# Altium PCB 大风车.PcbDoc
Units mil, origin at the board's own origin, x right, y up, seen from the top; angles counter-clockwise.
Board outline 3937.01 x 3937.01 mil, 2 copper layers (Top Layer, Bottom Layer); 135 components, 102 nets, 471 pads, 550 vias.
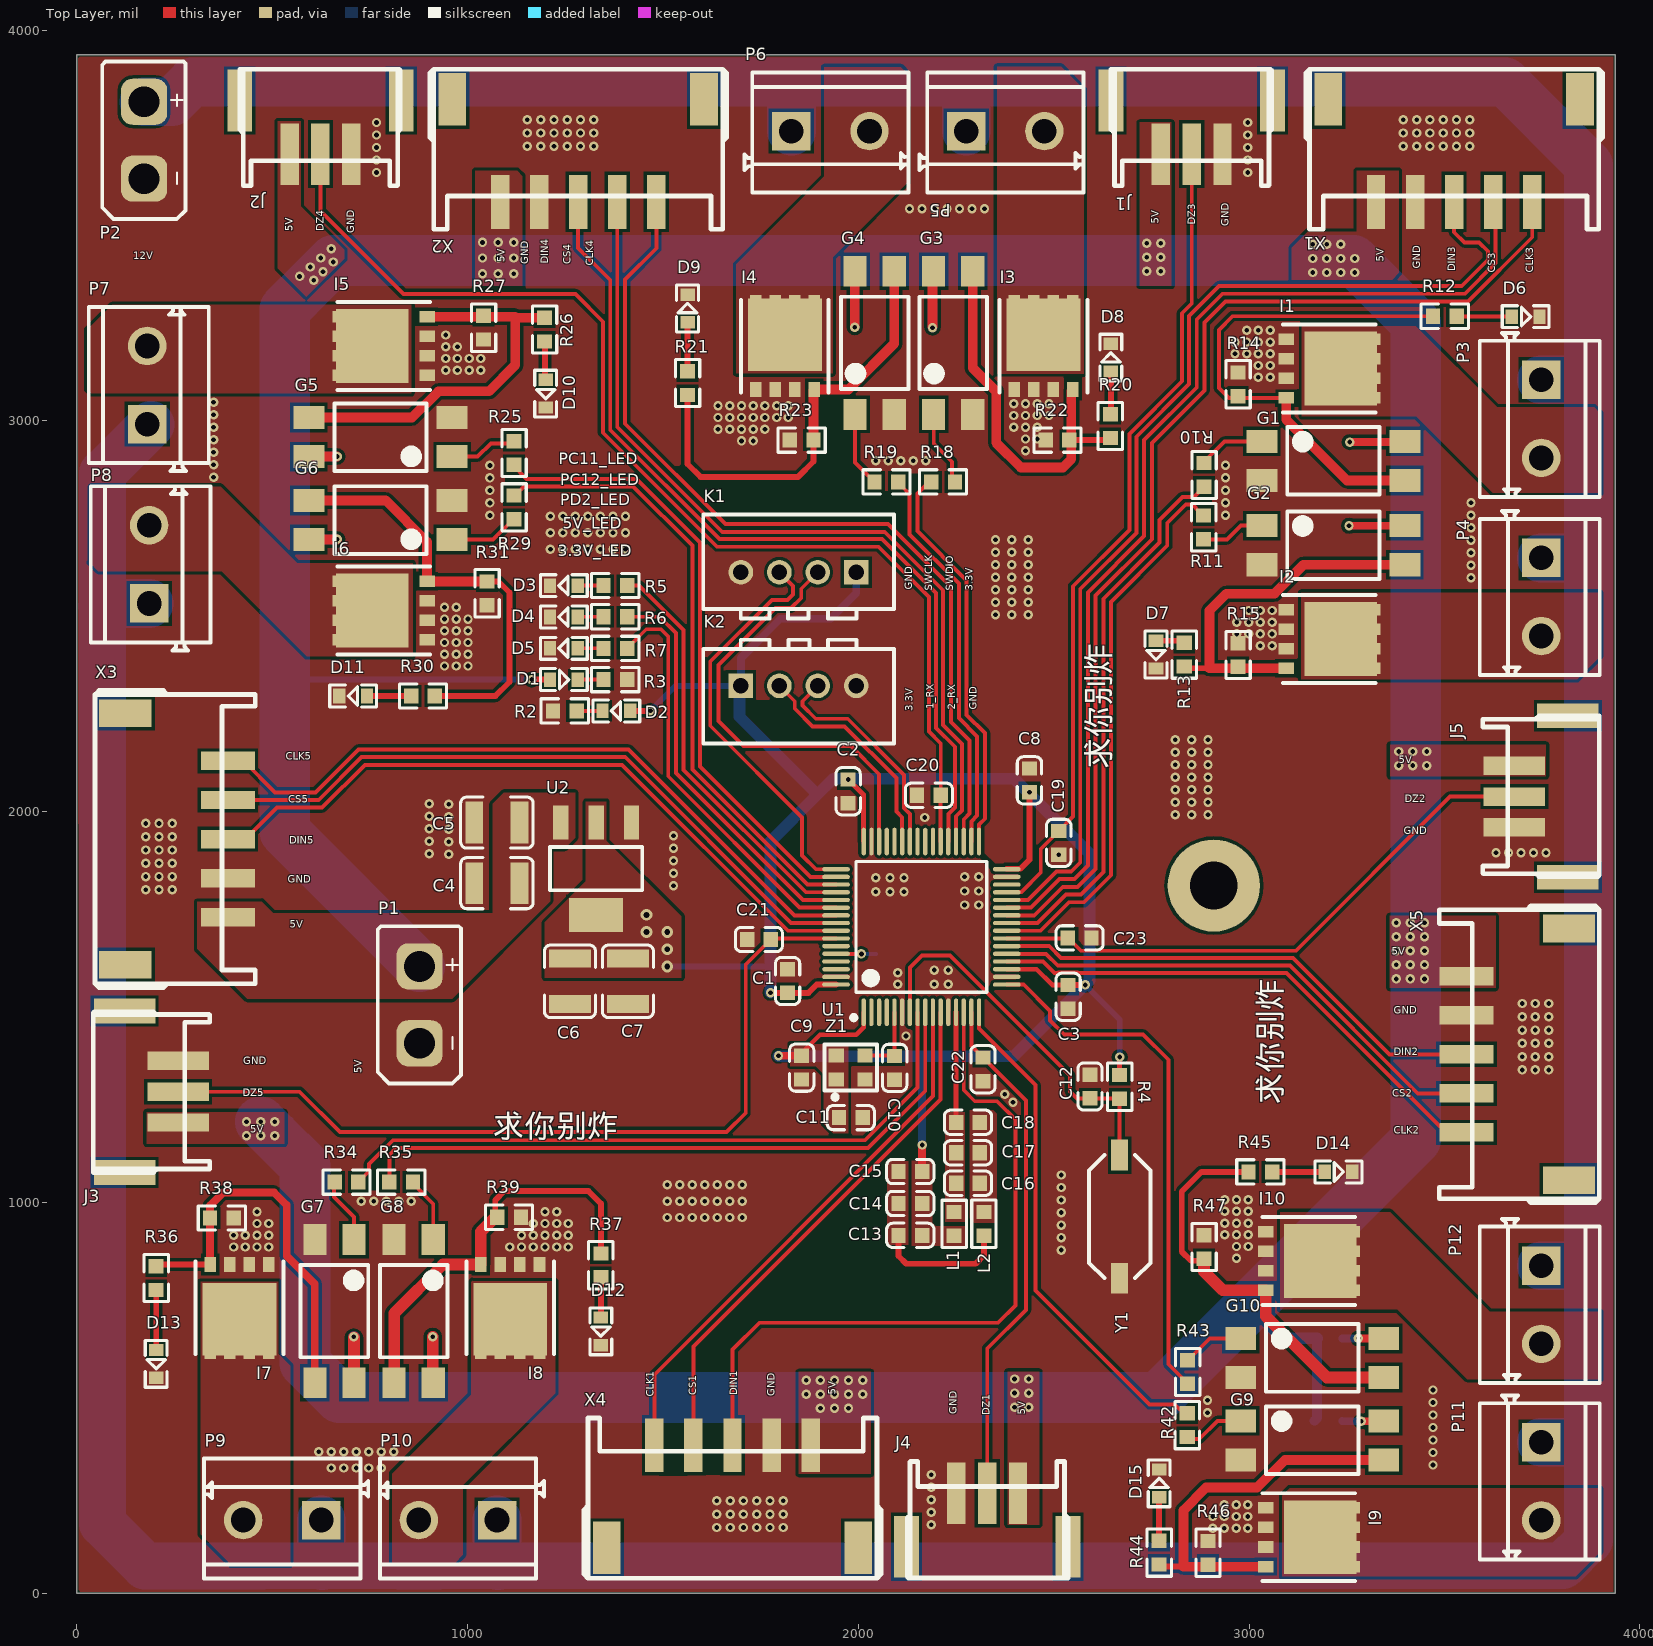
[diagram p0: Top Layer view]
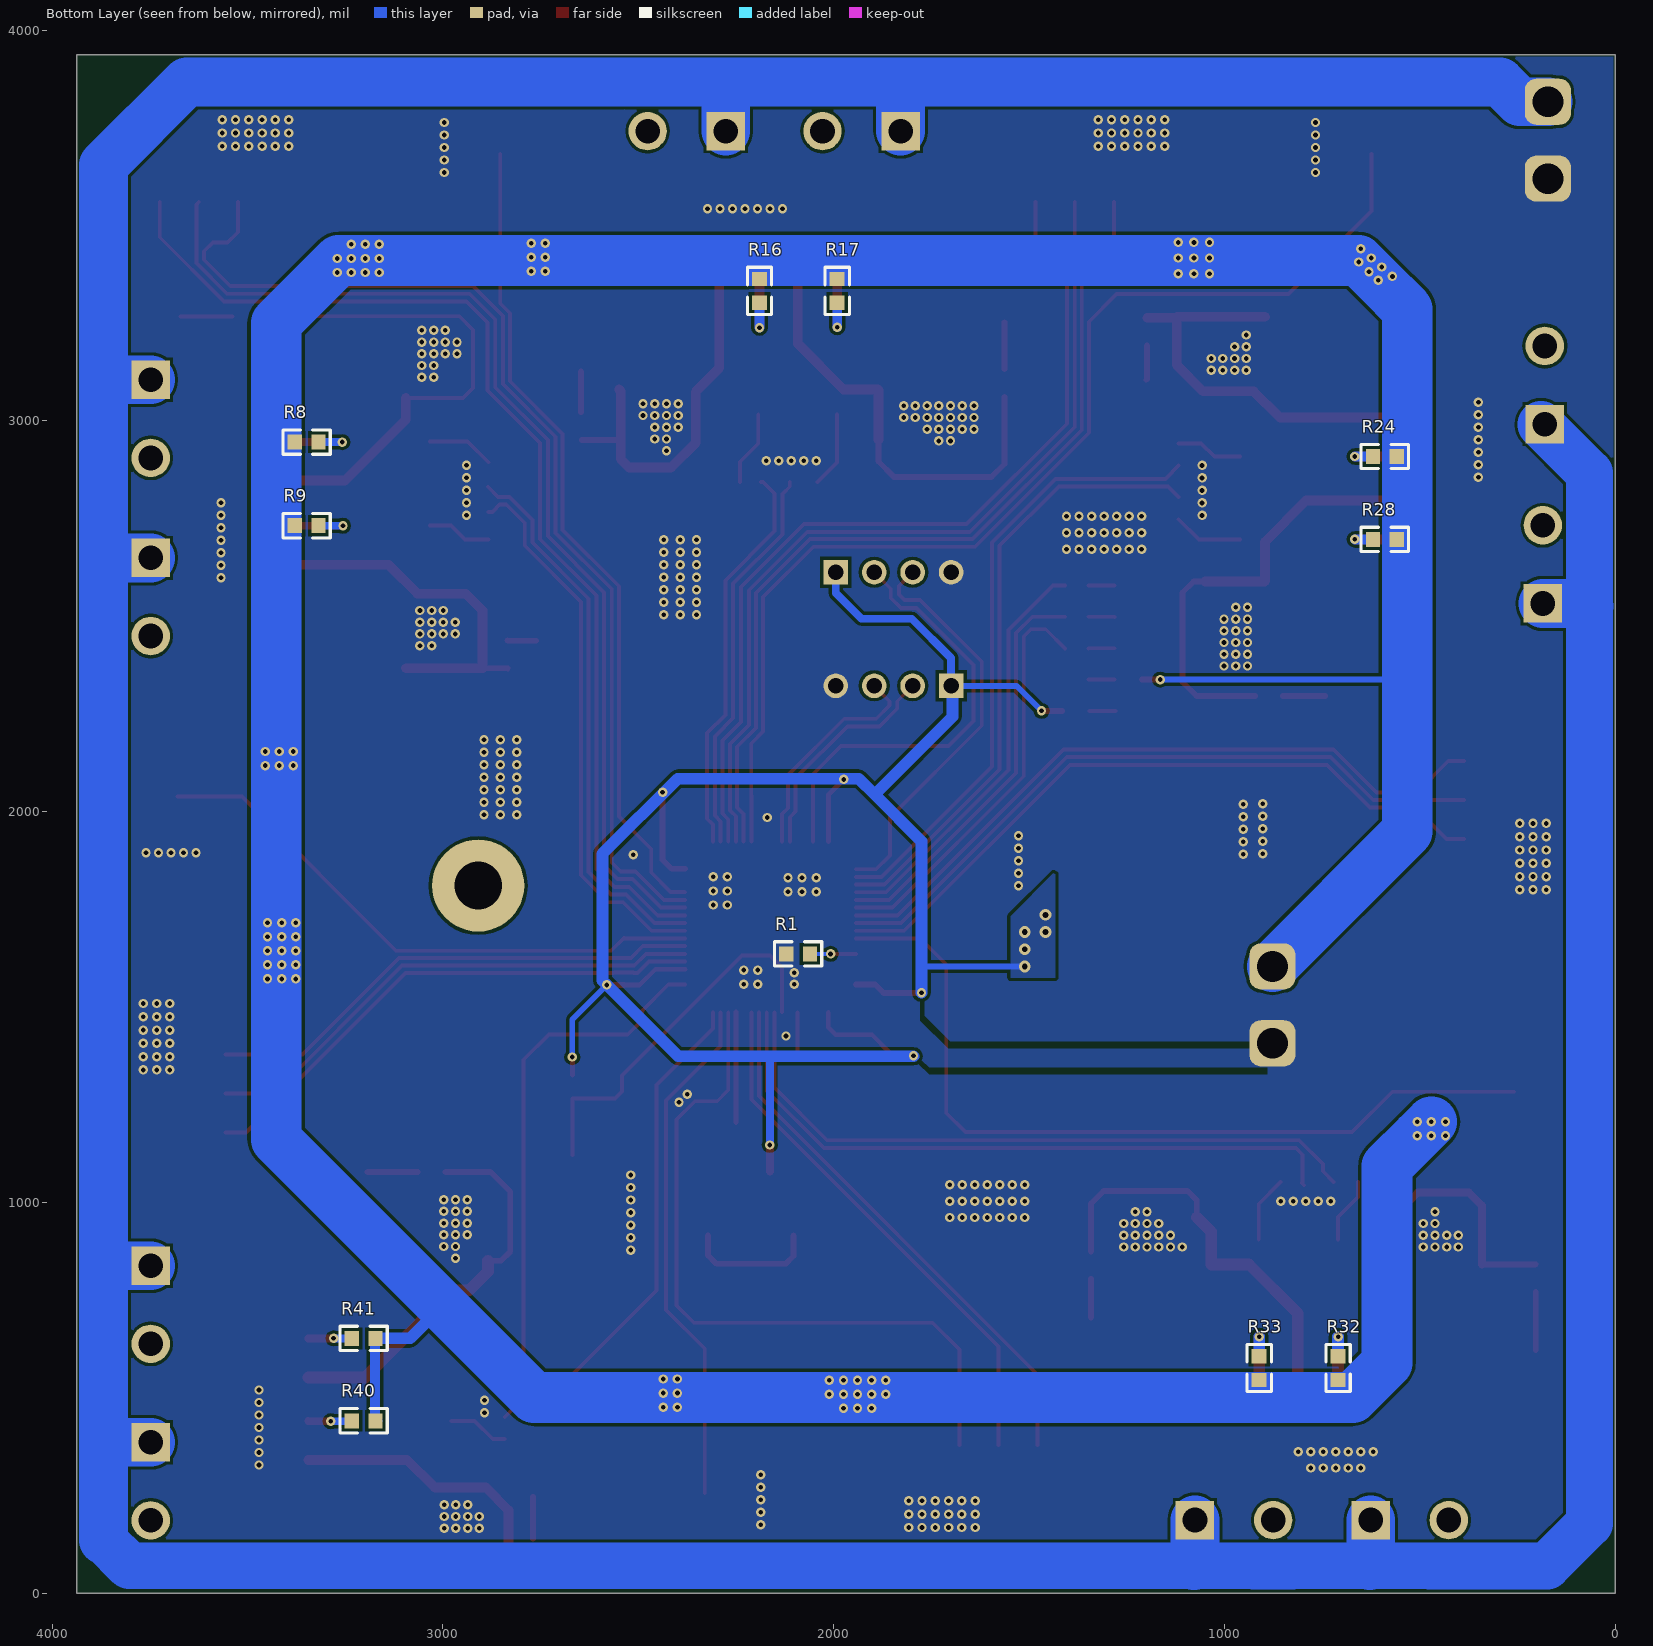
[diagram p1: Bottom Layer view, seen from below]
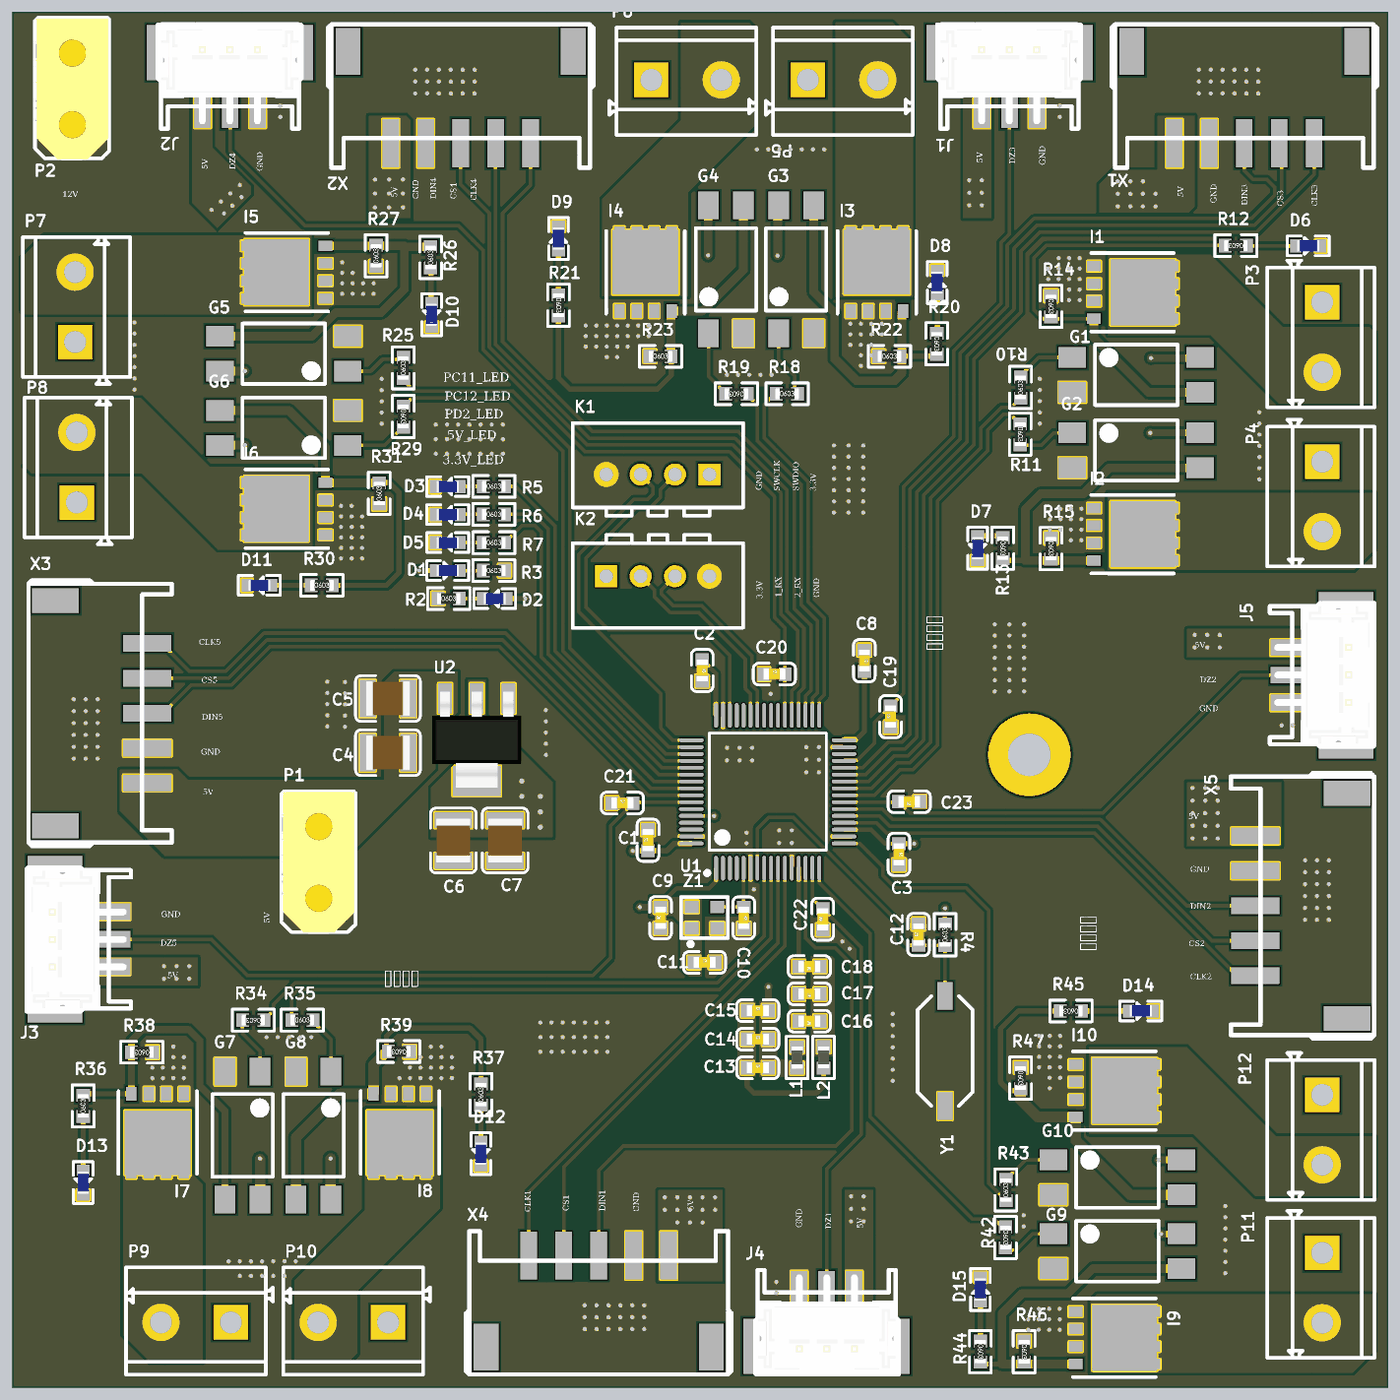
[diagram p2: 3D render of the assembled board from above, using the file's embedded part models]
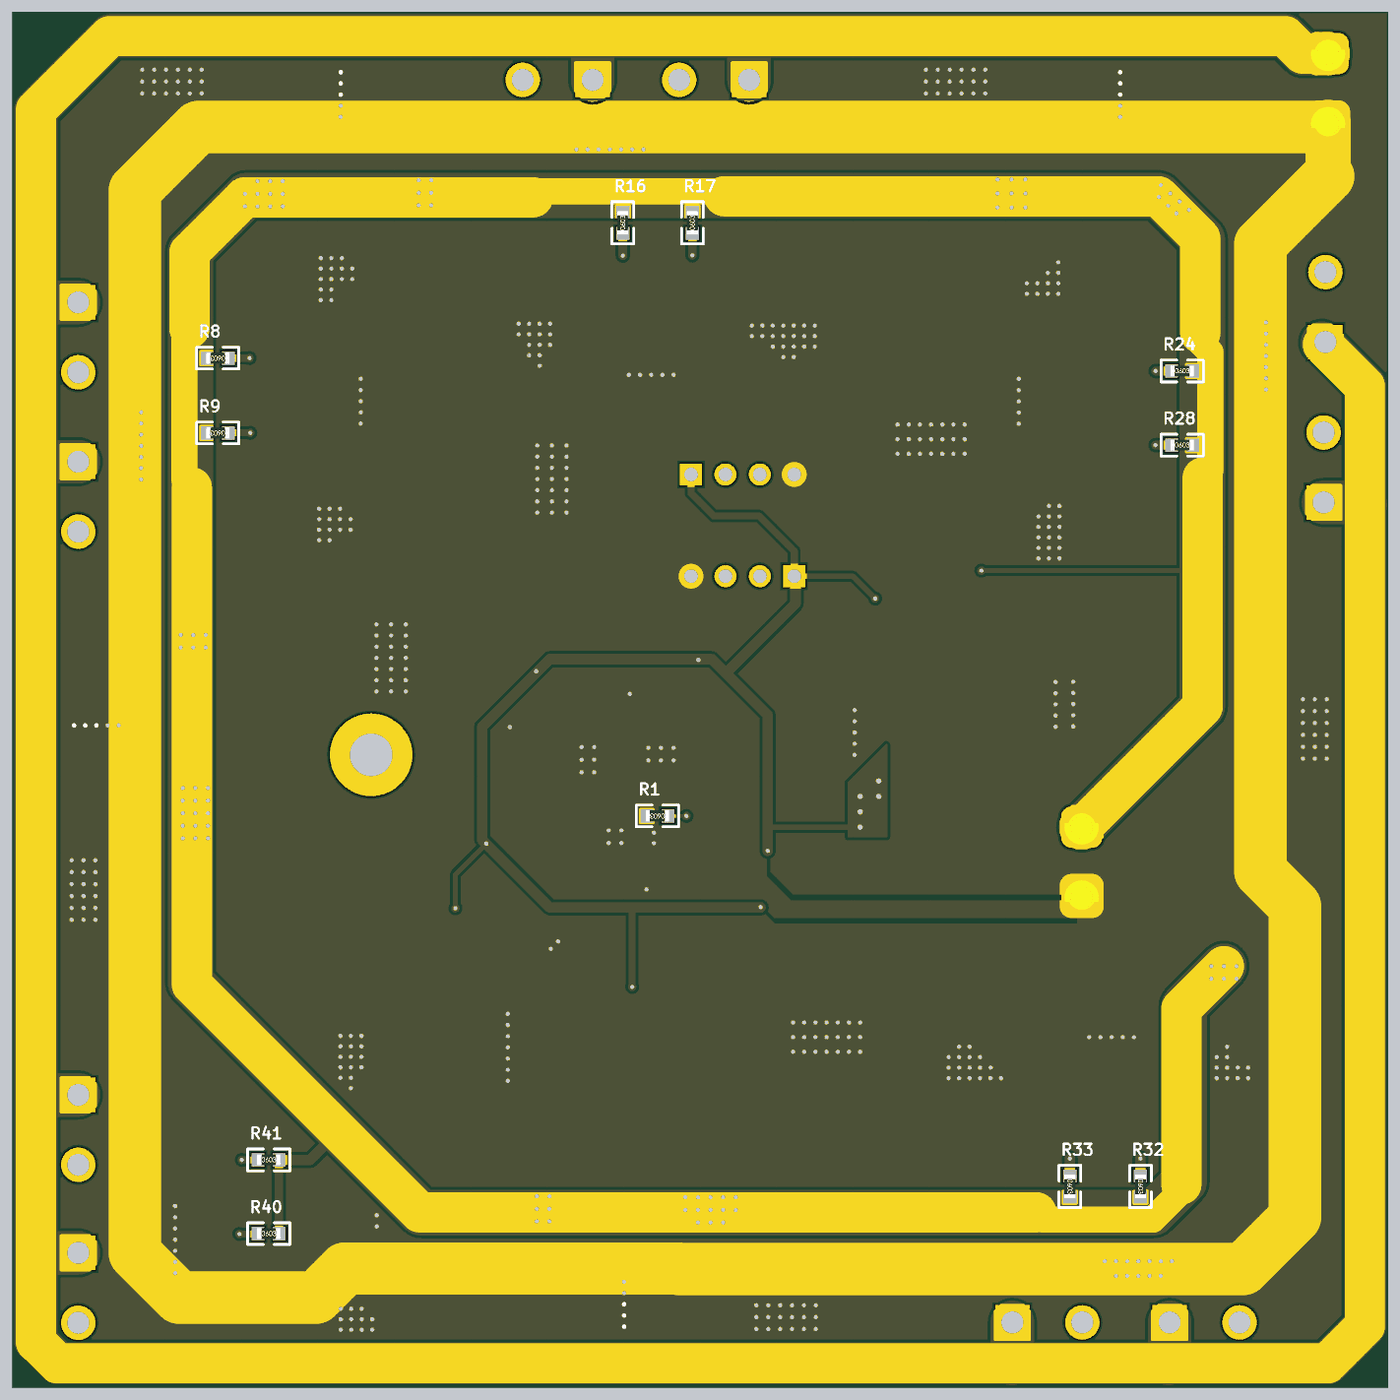
[diagram p3: 3D render of the assembled board from below, using the file's embedded part models]

## Layer stack, top to bottom
Top Solder: solder mask 0.4, Solder Resist, Dk 3.5
Top Layer: signal copper 1.4
Dielectric 1: dielectric 12.6, FR-4, Dk 4.8
Bottom Layer: signal copper 1.4
Bottom Solder: solder mask 0.4, Solder Resist, Dk 3.5

## Board outline
0,0 0,3937.01 3937.01,3937.01 3937.01,0

## Design rules (kind name [scope] priority, off if disabled: settings)
Clearance [All] p1: gap=8 ignorepadtopadclearanceinfootprint=FALSE
PolygonConnect [All] p1: connectstyle=Direct reliefconductorwidth=10 reliefentries=4 polygonreliefangle="90 Angle" airgapwidth=10
RoutingVias [All] p1: holewidth=28 width=50 viastyle="Through Hole" minholewidth=28 minwidth=50 maxholewidth=28 maxwidth=50
SolderMaskExpansion [All] p1: expansion=4
Width Width_2 [InNetClass('SIGHAL')] p1: maxlimit=30 minlimit=10 preferedwidth=10
Width Width_1 [InNetClass('POWER')] p2: maxlimit=200 minlimit=10 preferedwidth=30
Width [All] p3: maxlimit=200 minlimit=10 preferedwidth=30
30 further rules are at their usual default settings.

## Classes and differential pairs
component class 大风车: C1 C2 C3 C4 C5 C6 C7 C8 C9 C10 C11 C12 C13 C14 C15 C16 C17 C18 D1 D2 D3 D4 D5 K1 K2 L1 L2 P1 P2 R1 R2 R3 R4 R5 R6 R7 U1 U2 Y1 Z1
component class 大风车灯条1: C19 C20 D6 D7 D8 D9 G1 G2 G3 G4 I1 I2 I3 I4 J1 J2 P3 P4 P5 P6 R8 R9 R10 R11 R12 R13 R14 R15 R16 R17 R18 R19 R20 R21 R22 R23 X1 X2
component class 大风车灯条2: C21 D10 D11 G5 G6 I5 I6 J3 P7 P8 R24 R25 R26 R27 R28 R29 R30 R31 X3
component class 大风车灯条: C22 C23 D12 D13 D14 D15 G7 G8 G9 G10 I7 I8 I9 I10 J4 J5 P9 P10 P11 P12 R32 R33 R34 R35 R36 R37 R38 R39 R40 R41 R42 R43 R44 R45 R46 R47 X4 X5

## Components (designator, comment, footprint, x,y, rotation, side; value= is the part's Value field where it differs from the comment)
C1 "?uF" 0603_C 1819,1567 r90 top
C2 "?uF" 0603_C 1974,2052 r270 top
C3 "?uF" 0603_C 2537,1526 r270 top
C4 "47uF" 1210_C 1075,1817 r0 top
C5 "10uF" 1210_C 1075,1972 r0 top
C6 "47uF" 1210_C 1262,1565.87 r90 top
C7 "10uF" 1210_C 1410.29,1565.87 r90 top
C8 "?uF" 0603_C 2438,2080 r270 top
C9 "?uF" 0603_C 1855,1345.29 r90 top
C10 "15pF" 0603_C 2093,1344 r270 top
C11 "100nF" 0603_C 1981,1217 r0 top
C12 "100nF" 0603_C 2593,1297 r90 top
C13 "?uF" 0603_C 2133.37,915.67 r0 top
C14 "?uF" 0603_C 2133.37,997.33 r0 top
C15 "?uF" 0603_C 2133.37,1079 r0 top
C16 "?uF" 0603_C 2280.37,1049 r180 top
C17 "?uF" 0603_C 2280.37,1127 r180 top
C18 "?uF" 0603_C 2280.37,1205 r180 top
C19 "?uF" 0603_C 2513,1920.63 r90 top
C20 "?uF" 0603_C 2181,2042 r0 top
C21 "?uF" 0603_C 1746,1673 r0 top
C22 "?uF" 0603_C 2319,1341 r90 top
C23 "?uF" 0603_C 2566.02,1677 r180 top
D1 "LED0" LED-0603 1244.2,2336.12 r0 top
D2 "LED1" LED-0603 1382.56,2260 r180 top
D3 "LED2" LED-0603 1248.2,2580.5 r180 top
D4 "LED3" LED-0603 1248.2,2500.37 r180 top
D5 "LED3" LED-0603 1248.2,2420.25 r180 top
D6 "LED0" LED-0603 3706,3265 r0 top
D7 "LED0" LED-0603 2760,2404 r270 top
D8 "LED0" LED-0603 2648.38,3159.96 r90 top
D9 "LED0" LED-0603 1565,3286 r90 top
D10 "LED0" LED-0603 1198,3072 r270 top
D11 "LED0" LED-0603 709.22,2298 r180 top
D12 "LED0" LED-0603 1339,672 r270 top
D13 "LED0" LED-0603 201,589 r270 top
D14 "LED0" LED-0603 3227,1076 r0 top
D15 "LED0" LED-0603 2772,279 r90 top
G1 "光耦" SMD-4 3011.82,3007.13 r90 top
G2 "光耦" SMD-4 3011.82,2791.13 r90 top
G3 "光耦" SMD-4 2133.87,2995.68 r180 top
G4 "光耦" SMD-4 1932.87,2995.68 r180 top
G5 "光耦" SMD-4 981.32,2849.49 r270 top
G6 "光耦" SMD-4 981.32,2637.26 r270 top
G7 "光耦" SMD-4 768.13,926 r0 top
G8 "光耦" SMD-4 971.13,926 r0 top
G9 "光耦" SMD-4 2957.68,500.13 r90 top
G10 "光耦" SMD-4 2957.68,711.13 r90 top
I1 "MOSFET-N" VSONP-8 3214.68,2998.13 r90 top
I2 "MOSFET-N" VSONP-8 3214.68,2306.13 r90 top
I3 "MOSFET-N" VSONP-8 2609.87,3200.36 r180 top
I4 "MOSFET-N" VSONP-8 1947.87,3200.36 r180 top
I5 "MOSFET-N" VSONP-8 776.64,3327.87 r270 top
I6 "MOSFET-N" VSONP-8 776.64,2650.87 r270 top
I7 "MOSFET-N" VSONP-8 280.13,721.32 r0 top
I8 "MOSFET-N" VSONP-8 973.13,721.32 r0 top
I9 "MOSFET-N" VSONP-8 3162.36,7.13 r90 top
I10 "MOSFET-N" VSONP-8 3162.36,714.13 r90 top
J1 "PH 3P" PH3P 2894,3451.27 r0 top
J2 "PH 3P" PH3P 664,3451.27 r0 top
J3 "PH 3P" PH3P 491,1323.89 r90 top
J4 "PH 3P" PH3P 2289.37,487.73 r180 top
J5 "PH 3P" PH3P 3447.27,1998.11 r270 top
K1 "XH4P" XH4P 1604.58,2518 r180 top
K2 "XH4P" XH4P 2089.85,2417 r0 top
L1 "Inductor" 0603_L 2245.37,945 r90 top value=10uH
L2 "Inductor" 0603_L 2321.37,945.31 r90 top value=10uH
P1 "XT30" XT30-F 876,1408 r90 top
P2 "XT30" XT30-F 171,3621 r90 top
P3 "接线柱" 接线柱 3576.68,3042.51 r90 top
P4 "接线柱" 接线柱 3576.68,2586.74 r90 top
P5 "接线柱" 接线柱 2339.26,3570.68 r180 top
P6 "接线柱" 接线柱 1891.49,3570.68 r180 top
P7 "接线柱" 接线柱 351.32,3054.87 r270 top
P8 "接线柱" 接线柱 356.32,2595.87 r270 top
P9 "接线柱" 接线柱 562.74,358.32 r0 top
P10 "接线柱" 接线柱 1012.51,358.32 r0 top
P11 "接线柱" 接线柱 3576.68,323.13 r90 top
P12 "接线柱" 接线柱 3576.68,775.13 r90 top
R1 "10K" 0603_R 2091,1636 r0 bottom
R2 "50K" 0603_R 1248.76,2258 r0 top
R3 "100K" 0603_R 1378,2338 r0 top
R4 "10K" 0603_R 2669,1296 r90 top
R5 "10K" 0603_R 1378,2579 r0 top
R6 "10K" 0603_R 1378,2499 r0 top
R7 "10K" 0603_R 1378,2418 r0 top
R8 "500R" 0603_R 3349,2946 r0 bottom
R9 "500R" 0603_R 3349,2732 r0 bottom
R10 "10K" 0603_R 2885,2862 r90 top
R11 "10K" 0603_R 2884,2728 r270 top
R12 "50K" 0603_R 3501,3268 r180 top
R13 "50K" 0603_R 2834.2,2402 r270 top
R14 "10K" 0603_R 2972,3094 r270 top
R15 "10K" 0603_R 2972,2401 r270 top
R16 "500R" 0603_R 2190,3333 r90 bottom
R17 "500R" 0603_R 1991,3333 r90 bottom
R18 "10K" 0603_R 2217,2844 r0 top
R19 "10K" 0603_R 2072,2844 r180 top
R20 "50K" 0603_R 2645,2987 r270 top
R21 "50K" 0603_R 1563,3097 r270 top
R22 "10K" 0603_R 2509.8,2951 r0 top
R23 "10K" 0603_R 1855,2951 r0 top
R24 "500R" 0603_R 589.57,2909 r180 bottom
R25 "10K" 0603_R 1119,2918 r90 top
R26 "50K" 0603_R 1197,3234 r90 top
R27 "10K" 0603_R 1041,3238.68 r90 top
R28 "500R" 0603_R 589.57,2697 r180 bottom
R29 "10K" 0603_R 1119,2778.88 r270 top
R30 "50K" 0603_R 886,2296 r0 top
R31 "10K" 0603_R 1050,2558.92 r90 top
R32 "500R" 0603_R 709,576 r270 bottom
R33 "500R" 0603_R 911,576 r270 bottom
R34 "10K" 0603_R 690,1052 r180 top
R35 "10K" 0603_R 830.08,1052 r0 top
R36 "50K" 0603_R 203,806.28 r90 top
R37 "50K" 0603_R 1341,839 r90 top
R38 "10K" 0603_R 371,960 r180 top
R39 "10K" 0603_R 1106.2,962 r180 top
R40 "500R" 0603_R 3203,441 r180 bottom
R41 "500R" 0603_R 3203,652 r180 bottom
R42 "10K" 0603_R 2842,430 r270 top
R43 "10K" 0603_R 2843,566 r90 top
R44 "50K" 0603_R 2770,103.57 r270 top
R45 "50K" 0603_R 3029,1078 r180 top
R46 "10K" 0603_R 2895,103.2 r270 top
R47 "10K" 0603_R 2885,886 r270 top
U1 "STM32F103RGT6" STM32F1 897.65,986.31 r0 top
U2 "AMS1117" AMS1117 1203,1715.11 r0 top
X1 "XH5P" XH5P 3239,3283.61 r0 top
X2 "XH5P" XH5P 997,3283.61 r0 top
X3 "XH5P" XH5P 663.56,1643.95 r90 top
X4 "XH5P" XH5P 1964,655.39 r180 top
X5 "XH5P" XH5P 3279.61,1665.05 r270 top
Y1 "电键" 电键 2669,963.52 r90 top
Z1 "8MHz" OSC-SMD_4P-L2.5-W2.0-BL 1911.23,1284 r0 top

## Footprints (in the part's own frame and the unit in brackets; to place one, negate y for a bottom-side part, rotate by r counter-clockwise, add the part's x,y. Pads: shape width x height; smd on the part's side, far side on the other; paste and mask are expansions set on the pad)
0603_C [mm]
  rect 0.93x0.98 smd: 1(-0.778,0) 2(0.762,0)
  silkscreen extent -1.54,-0.79 1.53,0.79, body extent -0.81,-0.4 0.79,0.4, height 0.3
0603_L [mm]
  rect 0.93x0.98 smd: 1(-0.77,0) 2(0.77,0)
  silkscreen extent -1.54,-0.79 1.53,0.79, body extent -0.8,-0.41 0.8,0.41, height 0.46
0603_R [mm]
  rect 0.93x0.98 smd: 1(-0.77,0) 2(0.77,0)
  silkscreen extent -1.53,-0.79 1.54,0.79, body extent -0.85,-0.4 0.85,0.4, height 0.56
1210_C [mm]
  rect 1.16x2.72 smd: 1(-1.475,0) 2(1.475,0)
  silkscreen extent -2.35,-1.66 2.36,1.66, body extent -1.6,-1.25 1.6,1.25, height 1.3
AMS1117 [mm]
  rect 1x2.2 smd: 1(5.5,6.531) 2(3.2,6.531) 3(0.9,6.531)
  rect 3.5x2.2 smd: 2(3.2,0.531)
  silkscreen extent 0.2,2.13 6.2,4.93, body extent -0.04,0.04 6.44,7.02, height 1.64
LED-0603 [mm]
  rect 0.8x0.95 smd: 1(-0.849,0.051) 2(0.951,0.051)
  silkscreen extent -1.47,-0.66 1.57,0.76, body extent -0.75,-0.34 0.85,0.46, height 0.8
OSC-SMD_4P-L2.5-W2.0-BL [mil]
  rect 39.37x35.43 smd: 1(32.77,30.58) 2(106,30.58) 3(106,92) 4(32.77,92)
  silkscreen extent 2,-21 136,120
PH3P [mm]
  rect 1.6x4 smd: 0(-6.28,9.373) 0(4.216,9.373)
  rect 1.2x4 smd: 1(-3.032,5.893) 2(-1.032,5.893) 3(0.968,5.893)
  silkscreen extent -6.28,3.84 4.17,11.4, body extent -6.05,4.17 3.95,11.57, height 6.5
SMD-4 [mm]
  rect 1.5x2 smd: 1(-1.502,-0.538) 2(-4.042,-0.538) 3(-4.042,-9.838) 4(-1.502,-9.838)
  silkscreen extent -4.97,-8.19 -0.57,-2.19, body extent -5.06,-10.7 -0.49,0.22, height 3.7
STM32F1 [mm]
  oval 0.28x1.796 smd: 1(28.352,12.709) 2(28.852,12.709) 3(29.352,12.709) 4(29.852,12.709) 5(30.352,12.709) 6(30.852,12.709) 7(31.352,12.709) 8(31.852,12.709) 9(32.352,12.709) 10(32.852,12.709) 11(33.352,12.709) 12(33.852,12.709) 13(34.352,12.709) 14(34.852,12.709) 15(35.352,12.709) 16(35.852,12.709) 33(35.852,23.809) 34(35.352,23.809) 35(34.852,23.809) 36(34.352,23.809) 37(33.852,23.809) 38(33.352,23.809) 39(32.852,23.809) 40(32.352,23.809) 41(31.852,23.809) 42(31.352,23.809) 43(30.852,23.809) 44(30.352,23.809) 45(29.852,23.809) 46(29.352,23.809) 47(28.852,23.809) 48(28.352,23.809)
  oval 1.796x0.28 smd: 17(37.652,14.509) 18(37.652,15.009) 19(37.652,15.509) 20(37.652,16.009) 21(37.652,16.509) 22(37.652,17.009) 23(37.652,17.509) 24(37.652,18.009) 25(37.652,18.509) 26(37.652,19.009) 27(37.652,19.509) 28(37.652,20.009) 29(37.652,20.509) 30(37.652,21.009) 31(37.652,21.509) 32(37.652,22.009) 49(26.552,22.009) 50(26.552,21.509) 51(26.552,21.009) 52(26.552,20.509) 53(26.552,20.009) 54(26.552,19.509) 55(26.552,19.009) 56(26.552,18.509) 57(26.552,18.009) 58(26.552,17.509) 59(26.552,17.009) 60(26.552,16.509) 61(26.552,16.009) 62(26.552,15.509) 63(26.552,15.009) 64(26.552,14.509)
  silkscreen extent 27.55,12.21 36.35,22.51
VSONP-8 [mil]
  rect 29.5x39.37 smd: D(60.87,-102.33) D(110.87,-102.33) D(160.87,-102.33) D(210.87,-102.33) G(60.87,119.67) S(110.87,119.67) S(160.87,119.67) S(210.87,119.67)
  rect 189x185 smd: D(135.87,-20.32)
  silkscreen extent 24,-109 248,128
XH4P [mm]
  rect 1.6x1.6 hole 1: 1(-9.913,-2.413)
  round 1.6 hole 1: 2(-7.413,-2.413) 3(-4.913,-2.413) 4(-2.413,-2.413)
  silkscreen extent -12.36,-6.16 0.04,0.59
XH5P [mm]
  rect 1.8x3.4 smd: 0(-0.916,13.705) 0(15.444,13.705)
  rect 1.2x3.5 smd: 1(2.184,7.036) 2(4.724,7.036) 3(7.264,7.036) 4(9.804,7.036) 5(12.344,7.036)
  silkscreen extent -2.39,5.26 16.92,15.67
XT30-F [mm]
  rrect50% 3x3 hole 2: 1(4.981,-0.026) 2(-0.019,-0.026)
  silkscreen extent -2.64,-2.71 7.59,2.69, body extent -2.79,-2.63 7.61,2.67, height 12.6
接线柱 [mm]
  rect 2.5x2.5 hole 1.6: 1(1.597,-4.351)
  round 2.5 hole 1.6: 2(-3.483,-4.351)
  silkscreen extent -6.02,-8.15 4.64,-0.35
电键 [mm]
  rect 2x1.1 smd: 1(-4,0) 2(4,0)
  silkscreen extent -4,-2 4,2

## Part data
C1 C2 C3 C4 C5 C6 C7 C8 C9 C10 C11 C12 C13 C14 C15 C16 C17 C18 C19 C20 C21 C22 C23: library part Cap, LatestRevisionDate=17-Jul-2002, LatestRevisionNote="Re-released for DXP Platform.", PackageReference=RAD-0.3, Published=8-Jun-2000, Publisher="Altium Limited"
D1 D6 D7 D8 D9 D10 D11 D12 D13 D14 D15: "发光二极管", LatestRevisionDate=08-Jul-2005, LatestRevisionNote="Mech Layer 1 removed.", PackageReference=LED-0, Published=8-Jun-2000, Publisher="Altium Limited"
D2 D3 D4 D5: library part LED0, "发光二极管", LatestRevisionDate=08-Jul-2005, LatestRevisionNote="Mech Layer 1 removed.", PackageReference=LED-0, Published=8-Jun-2000, Publisher="Altium Limited"
K1 K2: library part XP4P
R1 R2 R3 R4 R5 R6 R7 R8 R9 R10 R11 R12 R13 R14 R15 R16 R17 R18 R19 R20 R21 R22 R23 R24 R25 R26 R27 R28 R29 R30 R31 R32 R33 R34 R35 R36 R37 R38 R39 R40 R41 R42 R43 R44 R45 R46 R47: library part Res, LatestRevisionDate=17-Jul-2002, LatestRevisionNote="Re-released for DXP Platform.", PackageReference=AXIAL-0.4, Published=8-Jun-2000, Publisher="Altium Limited"
L1 L2: Code_IEC=1005, Code_JEITA=0402, LatestRevisionDate=17-Jul-2002, LatestRevisionNote="Re-released for DXP Platform.", PackageReference=0402-A, Published=8-Jun-2000, Publisher="Altium Limited"

## Free pads (board coordinates)
  round 236.22 hole 122.05 unplated: 0(2910,1811)

## Via types
v1: diameter 24, hole 12, Top Layer to Bottom Layer, tented both sides, 545 vias
v2: diameter 30, hole 15, Top Layer to Bottom Layer, tented both sides, 5 vias
